# KiCad board radioboard_original.kicad_pcb (continued)
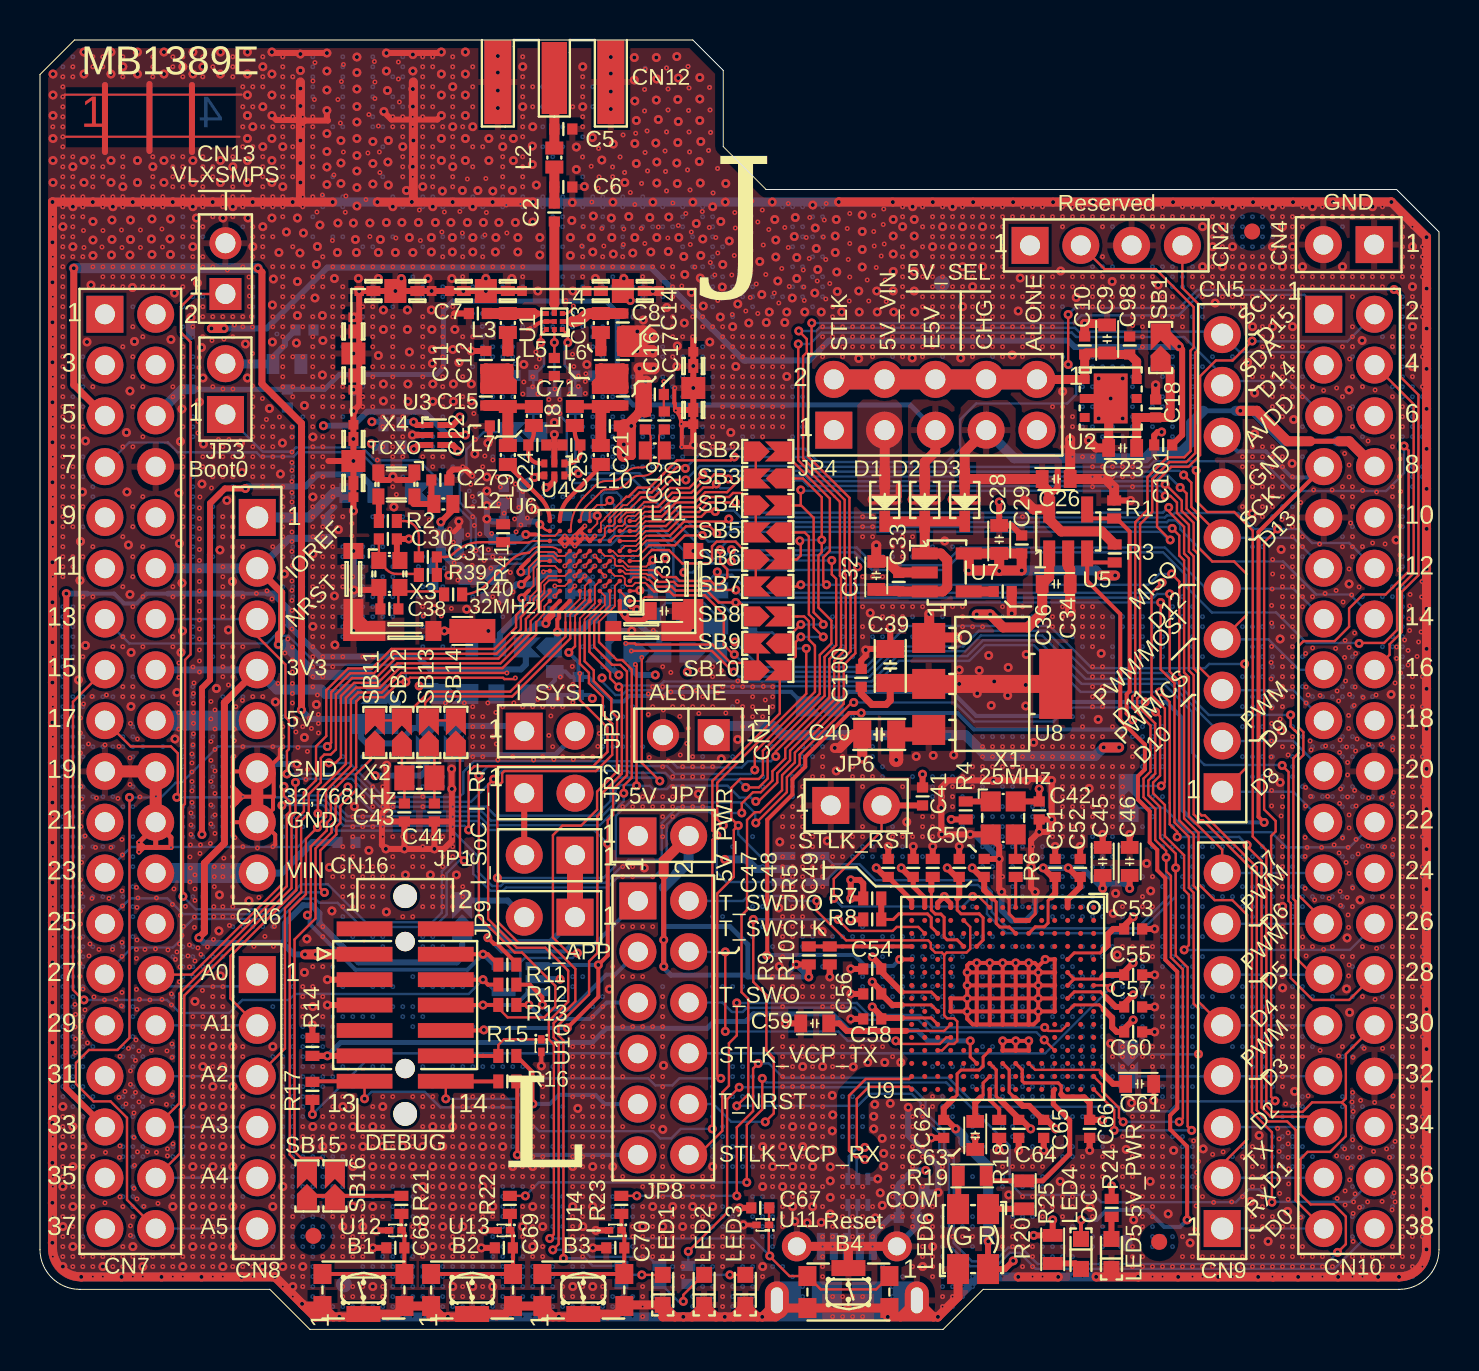
[diagram p0: board, top side]
## Routing (per net, layer and track width the routed paths; a pad name or vN(x,y) marks a point on that pad's centre or on a via; arc(x,y) is an arc through that point) (continued)
T_VCP_TX: length 59.4
  Top Layer w0.12: SB6.2 37.85,38.5 38.05,38.7 38.05,39.42 38.05,39.43 v1(38,39.43) ; v1(34.05,12.55) 34,12.55 33.87,12.68 33.87,21.79 34.7,22.62 34.7,24.97 v1(34.92,25.2) 34.58,25.54 34.58,27.08 35.02,27.52 35.95,27.52 36.15,27.73 36.15,28.94 39,31.78 39,33.72 39.58,34.31 39.58,35.44 38.93,36.09 38.93,38.7 39.1,38.86 v1(39.1,39.47) 39.1,41.61 38.16,42.55 SB3.1 ; v1(20.3,11.53) CN16.14 20.3,12.4
  Top Layer w0.2: 20.3,12.4 R16.1
  Bottom Layer w0.12: v1(38,39.43) 38.05,39.47 v1(39.1,39.47) ; v1(20.3,11.53) 23.78,11.53 24.8,12.55 30.42,12.55 30.77,12.2 31.62,12.2 31.98,12.55 v1(34.05,12.55) ; v1(34.92,25.2) 34.92,24.75 36,23.67 U15.3
USB_DEV_HS_CN_N: length 2.2
  Bottom Layer w0.124: U17.5 40.9,6.2 40.86,6.16 40.86,4.44 41.01,4.29 CN1.2
USB_DEV_HS_CN_P: length 2.2
  Bottom Layer w0.124: CN1.3 40.36,4.31 40.47,4.42 40.47,4.43 40.48,4.44 40.48,6.22 U17.6
USB_DEV_HS_N: length 8.8
  Top Layer w0.124: v1(41.25,8.5) 41.13,8.61 40.79,8.61 40.46,8.94 40.46,11.68 41.3,12.52 43.47,12.52 U9.R14
  Bottom Layer w0.124: U17.2 40.84,7.58 40.84,8.49 40.98,8.62 41.12,8.62 v1(41.25,8.5)
USB_DEV_HS_P: length 8.1
  Top Layer w0.124: U9.R15 43.47,12.13 41.46,12.13 40.85,11.52 40.85,9.1 40.95,9 41.15,9 v1(41.25,9.1)
  Bottom Layer w0.124: v1(41.25,9.1) 41.16,9.01 40.82,9.01 40.46,8.65 40.46,7.58 U17.1
XTA: length 6.8
  Top Layer w0.09: U6.G9 24.72,39.42 arc(24.58,39.41) 24.45,39.36
  Top Layer w0.12: 23.16,39.34 24.45,39.34 ; R39.1 19.84,37.72 19.84,38.62 C31.2 20.27,38.62 arc(20.49,38.67) 20.69,38.8 arc(21.31,39.22) 22.05,39.36 R41.2

## Copper pours and planes (outline as drawn; the poured copper is in the pictures)
5V_USB_CHGR on Top Layer: 46.42,46.47 45.95,46 45.95,41.4 46.15,41.2 49.75,41.2 50,40.95 50.02,40.97 50.87,40.97 50.87,41 51.17,41.3 51.17,43.38 50.77,43.77 49.2,43.77 48.8,44.17 48.8,46.05 48.37,46.47
5V_VIN on Top Layer: 41.15,46.5 40.88,46.23 40.87,41.52 41.25,41.15 42.92,41.15 43.2,41.42 43.2,46.12 42.83,46.5
5V_VIN on Top Layer: 41.08,33.2 40.8,32.92 40.8,31.7 41.27,31.22 45.65,31.22 46.8,30.07 51.38,30.08 51.82,30.52 51.83,34.07 51.37,34.52 46.85,34.52 45.92,33.6 43.67,33.6 43.27,33.2
5V_VIN on Bottom Layer: 47.35,34.07 46.58,33.3 45.83,33.3 45.62,33.1 45.62,32.45 47.22,30.85 49.67,30.85 49.95,31.13 49.95,33.6 49.48,34.08
GND on Top Layer: 69.7,41.32 69.85,41.32 69.85,51.22 69.8,51.27 69.65,51.28 69.65,56.92 36.68,56.93 36.67,64.47 11.47,64.47 11.47,64.45 1.75,64.45 0.02,62.72 0.03,0 40.07,0 40.07,0.2 68.45,0.2 69.7,1.45
GND on Bottom Layer: 0.05,0 0.05,62.72 1.8,64.47 11.48,64.47 36.75,64.47 36.75,56.92 69.97,56.92 69.97,0
GND on Signal Layer 1: 0,56.6 -0.03,56.62 -0.03,62.88 1.6,64.5 36.77,64.5 36.78,56.6 68.95,56.6 69.97,55.58 69.97,1.1 68.87,0 1.88,0 0,1.88 0,55.55
GND on Signal Layer 2: 57.7,56.75 57.7,49.1 58.33,48.47 69.73,48.47 69.77,48.52 69.77,54.88 67.9,56.75
GND on Signal Layer 2: 15.45,39.3 15.45,35.38 17.7,35.38 17.7,38.8 18,39.1 18,39.3
GND on Signal Layer 2: 67.9,56.72 69.73,54.9 69.73,3.45 68.45,2.17 47.08,2.17 45.12,0.22 13.52,0.22 11.6,2.15 1.25,2.15 0.17,3.22 0.17,52.17 0.05,52.3 0.05,62.72 1.7,64.38 10.2,64.38 10.22,64.35 36.93,64.35 36.92,56.98 67.9,56.97
VIN on Top Layer: 42.17,31 41.9,30.72 41.9,28.4 42.37,27.92 45.73,27.92 46.3,28.5 46.3,30.22 45.52,31
VIN on Bottom Layer: 42.85,29.47 42.5,29.13 42.5,28.42 42.75,28.17 46,28.17 46.3,28.47 46.3,28.95 45.78,29.48
E5V on Top Layer: 43.69,46.5 43.42,46.23 43.42,41.52 43.79,41.15 44.85,41.15 45.74,42.04 45.74,46.12 45.37,46.5
NetC11_2 on Top Layer: 22.02,48.27 22.02,46.78 23.85,46.77 23.85,47.42 23.68,47.6 23.67,48.27
NetC13_2 on Top Layer: 27.77,48.27 27.78,47.58 27.6,47.4 27.6,46.77 29.42,46.77 29.42,48.27

## Text on the board
Bottom Layer: 4
Bottom Overlay: PB0_VDD_TCXO | USB STLK | VDDRF | VDDRF1V55 | STLK_RST | IDD_RF | JP1 | JP9 | JP5 | JP2 | CN11 | CN13 | JP3 | VLXSMPS | DEBUG | ALONE | CN6 | CN8 | JP8 | JP7 | CN9 | CN5 | GND | CN4 | 1 | 3 | 5 | 7 | 9 | 11 | 13 | 15 | 17 | 19 | 21 | 23 | 25 | 27 | 29 | 31 | 33 | 35 | 37 | CN7 | 2 | 4 | 6 | 8 | CN16 | 14 | JP6 | JP4 | CN2 | CN10 | 10 | 12 | 16 | 18 | 20 | 22 | 24 | 26 | 28 | 30 | 32 | 34 | 36 | 38 | 5V_SEL | F | C | G | I | E | H
M10-Bottom Stiffener: 4578 | 4578 Total | 4148 | 4148 Total | 2 | 32 | 122 | 1295 | 1457 Total | 0,100mm (3,94mil) | 0,600mm (23,62mil) | 0,900mm (35,43mil) | 0,970mm (38,19mil) | 1,190mm (46,85mil) | 1,100mm (43,31mil) | 1,000mm (39,37mil) | 0,200mm (7,87mil) | = Routed Path Length + Tool Size = Slot length as defined in the PCB layout | = Calculated from tool start centre position to tool end centre position. | PTH | NPTH | Round | Slot | Signal Layer 2 - Bottom Layer | Top Layer - Signal Layer 1 | Top Layer - Bottom Layer | Layer | 1 | 3 | 4 | 5 | 6 | 7 | 8 | 9 | 10 | 11 | Name | Top Overlay | Top Solder | Top Layer | Dielectric 1 | Signal Layer 1 | Dielectric 2 | Signal Layer 2 | Dielectric 3 | Bottom Layer | Bottom Solder | Bottom Overlay | Via | Pad | Material | Solder Resist | Copper | 1080HR RC68 | 7 x 7628 | Rounded | (Mixed) | Thickness | 0,020mm | 0,035mm | 0,076mm | 1,268mm | 1,300mm (51,18mil) | - | Constant | 3,5 | 4,18 | 4,74 | 0,700mm (27,56mil) | Board Layer Stack | Slot definitions : | Routed Path Length | Hole Length | PCB SPECIFICATIONS : | A.   MATERIAL : | B.   MATERIAL FAMILY : | C.   SOLDERMASK COLOR : | D.   SILKSCREEN COLOR : | E.   SURFACE FINISH : | F.   IMPEDANCE CONTROL : | G.   THROUGH VIA : | H.   STACK-UP : | FR-4 | N/A | GREEN | WHITE | X  ENIG | HASL | NO | PLUG THE VIAS WHICH ARE COVERED WITH SOLDERMASK ONE OR TWO SIDE. | PLUG MATERIAL : | SEE LAYER STACK-UP SEQUENCE FOR OVERALL THICKNESS. | TG-170 | X  WHITE | YELLOW | IMMERSION SILVER | HASL (PB-FREE) | X  YES  (SEE IMPEDANCE TABLE FOR DETAIL INFORMATION) | X  SOLDERMASK | X  TG-150 | RED | BLACK | TG-140 | X  Blue ink PANTONE 2955 | IMMERSION TIN | GOLDEN FINGER | NON-CONDUCTIVE EPOXY. | DEFAULT | TRACKS : 0.120mm / GAPS : 0.120mm | EXCEPT BGA PITCH 0.5MM U13 | TRACKS : 0.090mm / GAPS : 0.090mm | PCB : TYPE 3 | ASPECT-RATIO, AXE Z : | 6:1 to 8:1 / LEVEL "B" | MINIMUM PARAMETERS | Symbol | Count | Hole Size | Plated | Hole Type | Drill Layer Pair | Via/Pad | Pad Shape | THE COMPONENTS WITH PLATED THROUGH HOLE (PTH) MAY BE WELDED (CABLED) IN "PIN-IN-PASTE" MODE (IF NECESSARY) / ""BOTTOM PASTE""
Top Layer: 1
Top Overlay: TCXO | 32MHz | IOREF | NRST | PWM/MOSI / D11 | PWM/CS / D10 | MISO / D12 | AVDD | GND | D7 | D4 | D2 | D8 | SCL / D15 | SDA / D14 | SCK / D13 | PWM / D9 | PWM / D5 | PWM / D6 | PWM / D3 | TX / D1 | RX / D0 | A5 | A3 | A0 | A4 | A2 | A1 | 3V3 | 5V | VIN | VLXSMPS | DEBUG | Reset | COM | 5V_SEL | Reserved | OC | 5V_PWR | STLK_RST | I_RF | I_SoC | STLK | 5V_VIN | E5V | CHG | ALONE | Boot0 | 32,768KHz | I_SYS | I_APP | T_NRST | T_SWDIO | T_SWCLK | T_SWO | STLK_VCP_TX | STLK_VCP_RX | 25MHz | 13 | 15 | 17 | 19 | 21 | 23 | 25 | 27 | 29 | 31 | 33 | 35 | 37 | 11 | 3 | 5 | 7 | 9 | 10 | 12 | 14 | 16 | 18 | 4 | 6 | 8 | 20 | 22 | 24 | 26 | 28 | 30 | 32 | 34 | 36 | 38 | MB1389E | L | J
Signal Layer 1: 2
Signal Layer 2: 3
M5-Top Constraints: (Single ended) | (Differential) | IMPEDANCE TABLE    USB  (USB_DEV_HS_CN & USB_DEV_HS ) | IMPEDANCE TABLE    SoC Rx inputs (RFI_N & RFI_P) | IMPEDANCE TABLE    SoC Tx outputs (L12_1 & L19_1) | IMPEDANCE TABLE    TX path (C110_2 & C113_2  & C130_2 & C133_2) | IMPEDANCE TABLE    TX path before SP3T (C114_2 & C134_2) | IMPEDANCE TABLE    RF path before SP3T (C105_2 & C105_1 & C107_1 & C135_1 & C137_1) | IMPEDANCE TABLE    RX path (C116_2) | L1 (Top_Lay) | L4 (Bot_Lay) | L2 (Sig_Lay1) | "Routing" | LAYER | L3 (Sig_Lay2) | "Ref GND" | 0.110 / 0.550 | "Width mm" | TRACE | 0.124 | 0.110 | 0.100 | 0.097 | 0.210 | 0.550 | 0.500 | "Lenght mm" | Minimum | NET | "Intra Diff. Pair mm" | SPACING | 0.323 | 0.262 | n/a | "Others Net mm" | 0.262 Min. | 0.152 Min. | 0.323 Min. | 0.145 Min. | 0.646 Min. Or Less | "GND mm" | 0.524 Min. | IMPEDANCE | 50 Ohms | Lowest | 100 Ohms | 90 Ohms | +/- 10% | TOL.
